# Altium PCB 2312_BadgePlaceTravail.PcbDoc (part 1 of 2)
Units mm, origin at the board's own origin, x right, y up, seen from the top; angles counter-clockwise.
Board outline 130 x 87 mm, 2 copper layers (Top Layer, Bottom Layer), stack 1.62 mm thick; 119 components, 126 nets, 435 pads, 203 vias.
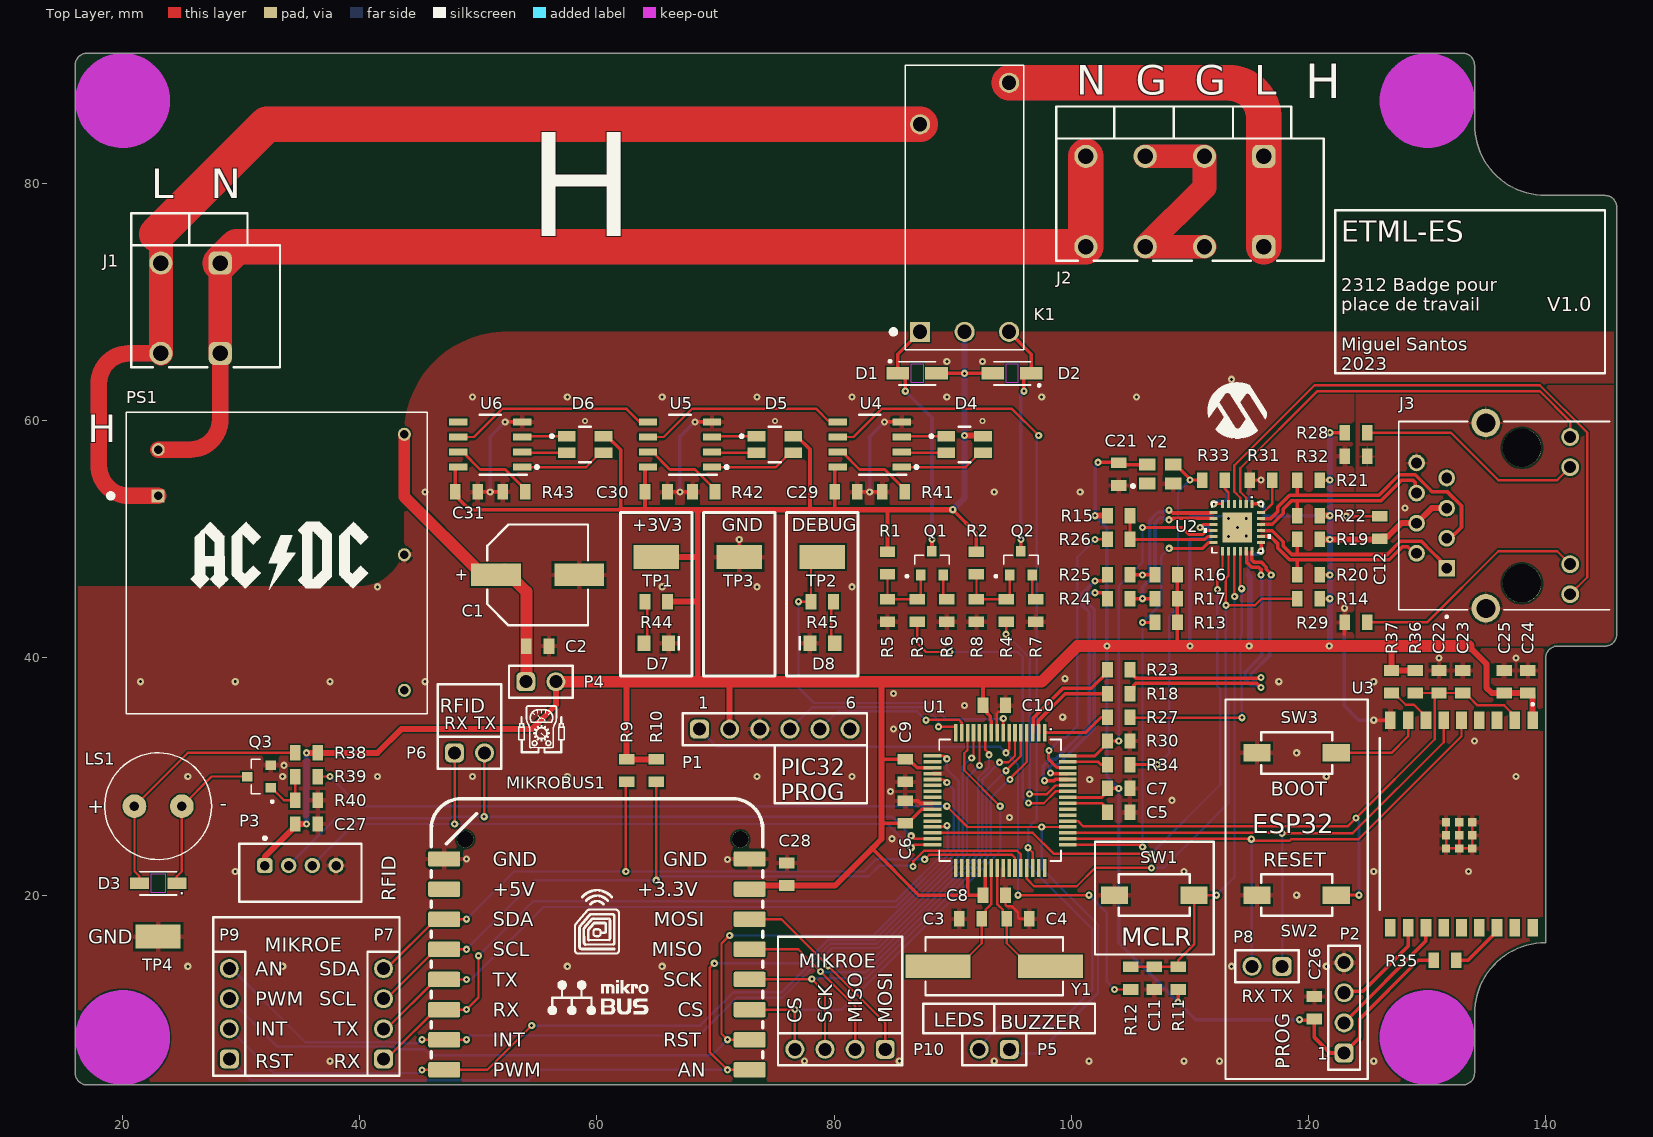
[diagram p0: Top Layer view]
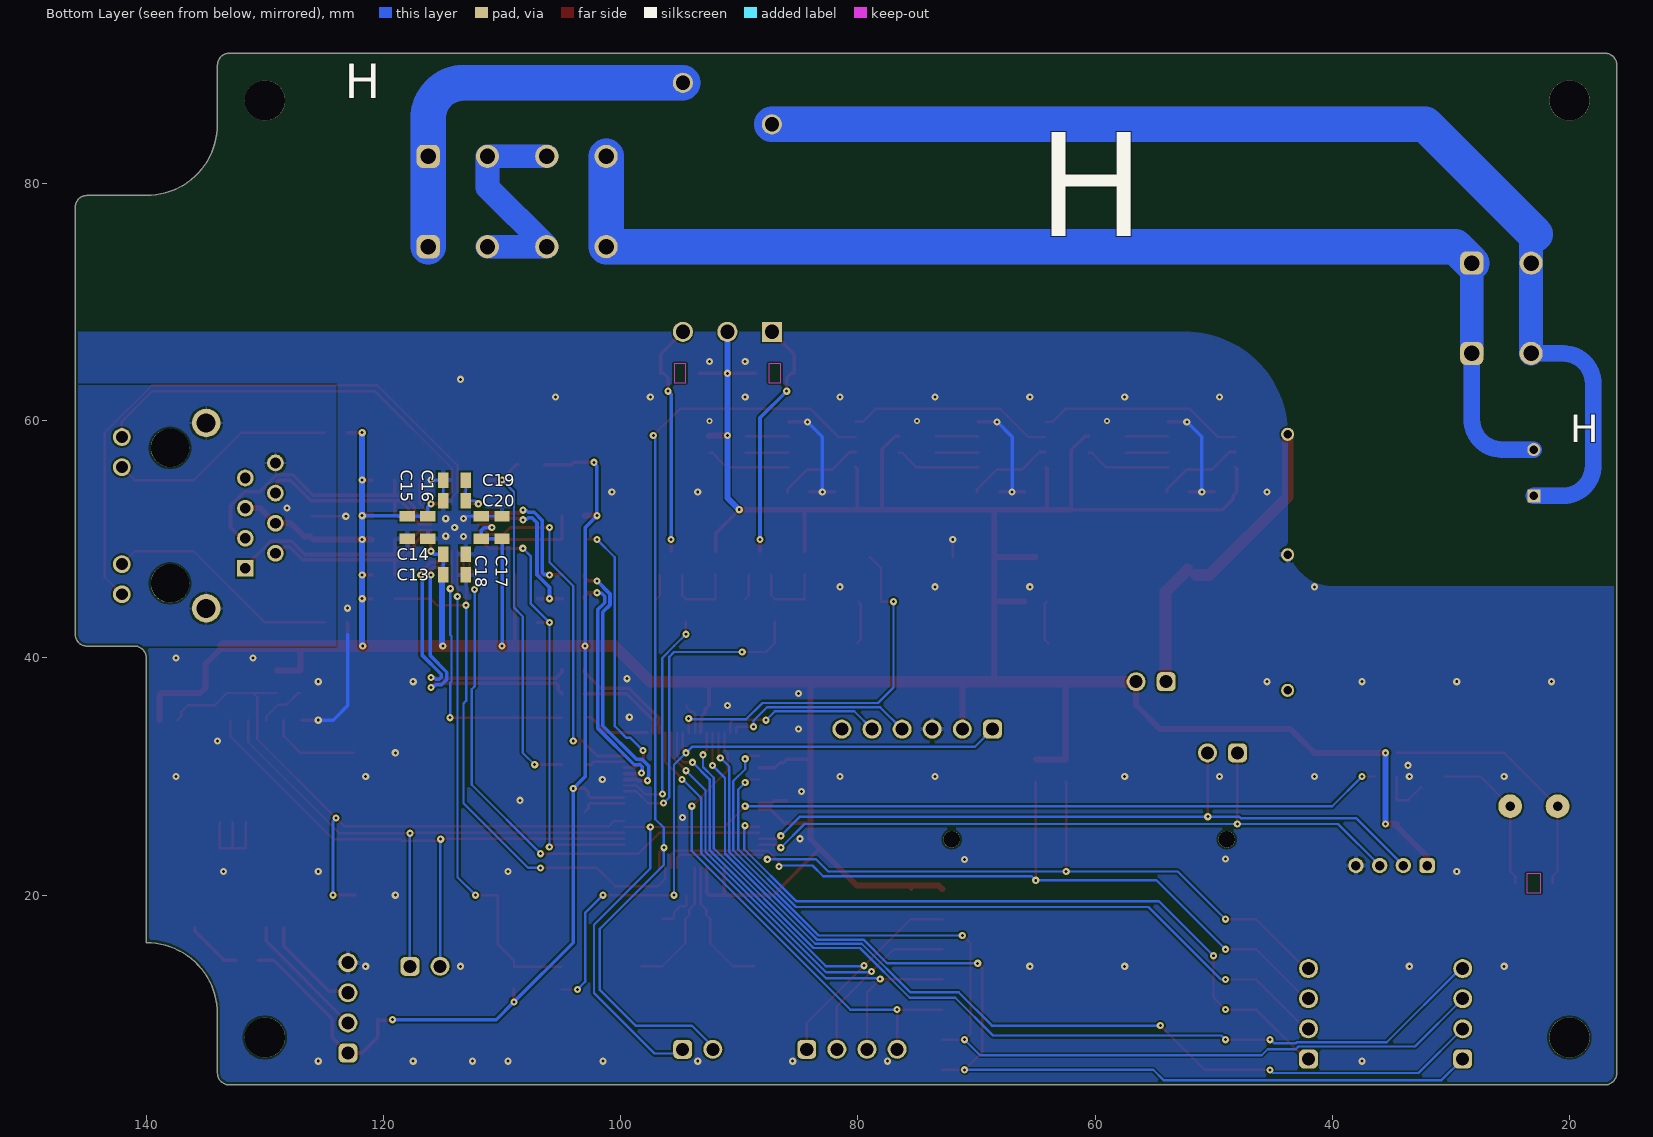
[diagram p1: Bottom Layer view, seen from below]
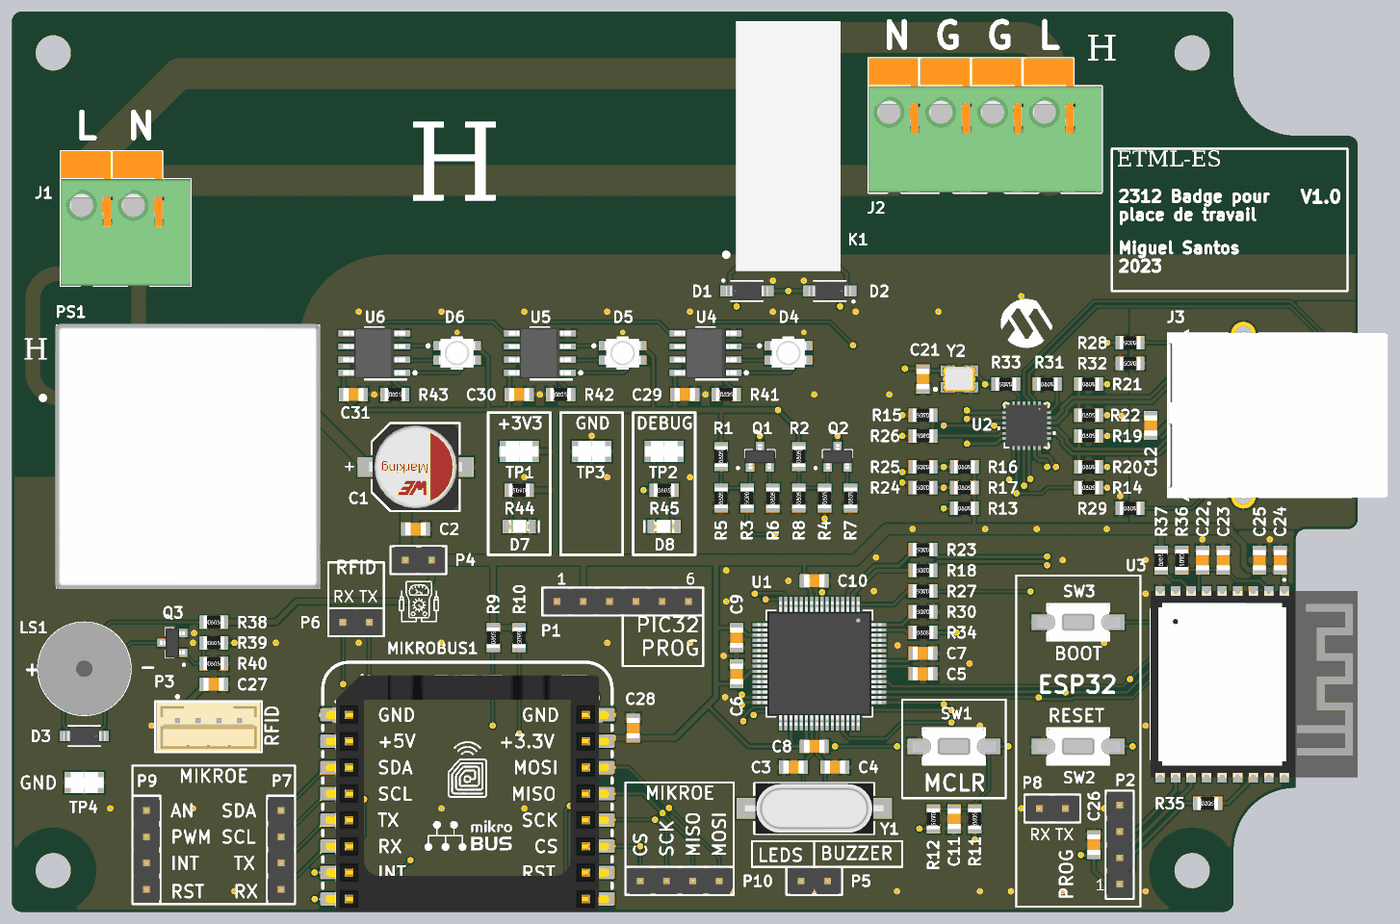
[diagram p3: 3D render of the assembled board from above, using the file's embedded part models]
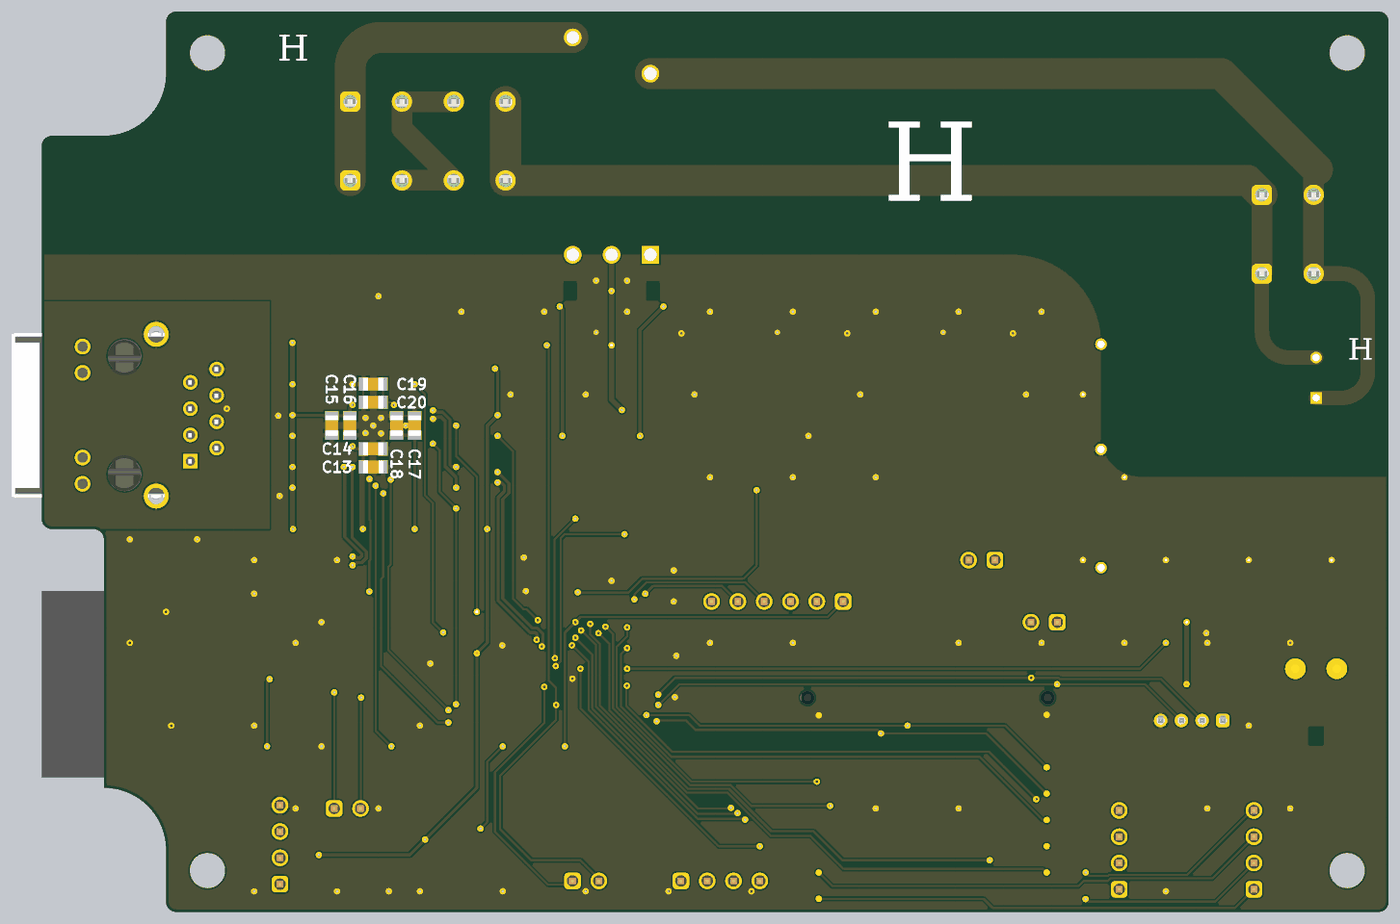
[diagram p4: 3D render of the assembled board from below, using the file's embedded part models]

## Layer stack, top to bottom
Top Solder: solder mask 0.0102, Solder Resist, Dk 3.5
Top Layer: signal copper 0.035
Dielectric1: core 1.55, FR-4, Dk 4.8
Bottom Layer: signal copper 0.035
Bottom Solder: solder mask 0.0102, Solder Resist, Dk 3.5

## Board outline
17,4 133,4 ccw(c133,5) 134,5 134,10 cw(c140,10) 140,16 140,40 cw(c141,40) 141,41 145,41 ccw(c145,42) 146,42 146,78 ccw(c145,78) 145,79 140,79 cw(c140,85) 134,85 134,90 ccw(c133,90) 133,91 17,91 ccw(c17,90) 16,90 16,5 ccw(c17,5)

## Design rules (kind name [scope] priority, off if disabled: settings)
BoardOutlineClearance [All] p1: gap=0.25 ignorepadtopadclearanceinfootprint=FALSE except(0: Arc-SplitContinuation Track-SplitContinuation SMDPad-SplitContinuation THPad-SplitContinuation Via-SplitContinuation Fill-SplitContinuation Poly-SplitContinuation Region-SplitContinuation Text-SplitContinuation)
Clearance "Clearance 230VAC-230VAC" [InNetClass('AC-230V') vs InNetClass('AC-230V')] p1: gap=2.5 ignorepadtopadclearanceinfootprint=FALSE
Clearance Clearance-230VAC-ALL [All vs InNetClass('AC-230V')] p2: gap=4 ignorepadtopadclearanceinfootprint=FALSE
Clearance Clearance-xPP-xTP-xTT [All] p3: gap=0.151 ignorepadtopadclearanceinfootprint=FALSE
ComponentClearance [All] p1: gap=0.1 collisioncheckmode=3 verticalgap=0.25 showdistances=FALSE
DiffPairsRouting EthernetDiffPair [InDifferentialPairClass('All Differential Pairs')] p1: maxlimit=0.151 minlimit=0.151 mostfreqgap=0.151 toplayer_minwidth=0.3 toplayer_maxwidth=0.3 toplayer_prefwidth=0.3 bottomlayer_minwidth=0.3 bottomlayer_maxwidth=0.3 bottomlayer_prefwidth=0.3 maxuncoupledlength=12.7
DiffPairsRouting [All] p2: maxlimit=0.25 minlimit=0.15 mostfreqgap=0.2 toplayer_minwidth=0.15 toplayer_maxwidth=0.25 toplayer_prefwidth=0.25 bottomlayer_minwidth=0.15 bottomlayer_maxwidth=0.25 bottomlayer_prefwidth=0.25 maxuncoupledlength=12.5
Height [All] p1: minheight=0 maxheight=25 prefheight=12.5
HoleSize HoleSize-PTH [All] p1: absolutevalues=TRUE maxlimit=10 minlimit=0.25 maxpercent=80.000 minpercent=20.000
HoleToHoleClearance [All] p1: gap=0.35 allowstackedmicrovias=TRUE
MinimumAnnularRing "Minimum IAR  >0.45mm" [((ObjectKind = 'Pad') OR (ObjectKind = 'Via')) And (Layer = 'MultiLayer') And (HoleDiameter > AsMM(0.45))] p1: minimumring=0.15 // minimum inner annular ring for pads > 0.45mm finished hole size
MinimumAnnularRing "Minimum IAR <=0.45mm" [((ObjectKind = 'Pad') OR (ObjectKind = 'Via')) And (Layer = 'MultiLayer') And (HoleDiameter <= AsMM(0.45))] p2: minimumring=0.125 // minimum inner annular ring for pads <= 0.45mm finished hole size
MinimumSolderMaskSliver [All] p1: minsoldermaskwidth=0.08
NetAntennae [All] p1: netantennaetolerance=2
PasteMaskExpansion [All] p1: expansion=-0.025
PlaneClearance PlaneClearance-IPI [All] p1: clearance=0.25
PlaneConnect [All] p1: planeconnectstyle=Relief reliefexpansion=0.175 reliefentries=4 reliefconductorwidth=0.2 reliefairgap=0.2
PolygonConnect GND-CONNECT [All vs InNet('GND')] p1: thpad.connectstyle=Relief thpad.reliefconductorwidth=0.4 thpad.reliefentries=4 thpad.polygonreliefangle="90 Angle" thpad.airgapwidth=0.2 smdpad.connectstyle=Relief smdpad.reliefconductorwidth=0.4 smdpad.reliefentries=4 smdpad.polygonreliefangle="90 Angle" smdpad.airgapwidth=0.2 via.connectstyle=Direct via.reliefconductorwidth=0.254 via.reliefentries=4 via.polygonreliefangle="90 Angle" via.airgapwidth=0.254
PolygonConnect PolygonConnect-xTW [All] p2: thpad.connectstyle=Relief thpad.reliefconductorwidth=0.2 thpad.reliefentries=4 thpad.polygonreliefangle="90 Angle" thpad.airgapwidth=0.2 smdpad.connectstyle=Relief smdpad.reliefconductorwidth=0.2 smdpad.reliefentries=4 smdpad.polygonreliefangle="90 Angle" smdpad.airgapwidth=0.2 via.connectstyle=Direct via.reliefconductorwidth=0.2 via.reliefentries=4 via.polygonreliefangle="90 Angle" via.airgapwidth=0.2
RoutingCorners [All] p1: cornerstyle=45-Degree minsetback=2.5 maxsetback=2.5
RoutingVias RoutingViasES [All] p1: holewidth=0.25 width=0.51 viastyle="Through Hole" minholewidth=0.25 minwidth=0.51 maxholewidth=0.45 maxwidth=0.8 // finishet hole size <= 0.45mm
SMDEntry SMDEntry-GND [InNet('GND')] p1: side=TRUE corner=FALSE anyangle=FALSE
SMDEntry [All] p2: side=TRUE corner=TRUE anyangle=FALSE
SilkToSilkClearance [All] p1: silktosilkclearance=0.2
SilkToSolderMaskClearance SilkscreenOverComponentPads [IsPad] p1: minsilkscreentomaskgap=0.2 clearancetoexposedcopper=TRUE
SolderMaskExpansion [All] p1: expansion=0 istentingtop=FALSE
UnRoutedNet [All] p1: checkbadconnections=TRUE
Width Width-230VAC [InNetClass('AC-230V')] p1: maxlimit=10 minlimit=1 preferedwidth=1.5 minimp=50.000000 maximp=50.000000 favimp=50.000000
Width Width-3V3 [InNet('+3V3')] p2: maxlimit=1 minlimit=0.25 preferedwidth=0.3 minimp=50.000000 maximp=50.000000 favimp=50.000000
Width Width-xTW [All] p3: maxlimit=1.5 minlimit=0.15 preferedwidth=0.2
16 further rules are at their usual default settings.

## Classes and differential pairs
net class UC-NOT-USED: NetU1_18 NetU1_22 NetU1_23 NetU1_24 NetU1_27 NetU1_28 NetU1_33 NetU1_34 NetU1_36 NetU1_37 NetU1_42 NetU1_47 NetU1_48 NetU1_54 NetU1_55
net class Diff-Pairs: ERXD_0 ERXD_1 ETXD_0 ETXD_1 RJRX_N RJRX_P RJTX_N RJTX_P URXD_0 URXD_1 UTXD_0 UTXD_1
net class AC-230V: AC-L-IN AC-L-OUT AC-N EARTH
component class Puissance: 90 C1 C2 D1 D2 J1 J2 K1 PS1 Q1 Q2 R1 R2 R3 R4 R5 R6 R7 R8
component class Microcontrôleur: C3 C4 C5 C6 C7 C8 C9 C10 C11 P1 R9 R10 R11 R12 SW1 U1 Y1
component class Interface: C29 C30 C31 D3 D4 D5 D6 D7 D8 LS1 Q3 R38 R39 R40 R41 R42 R43 R44 R45 U4 U5 U6
component class Ethernet: C12 C13 C14 C15 C16 C17 C18 C19 C20 C21 J3 R13 R14 R15 R16 R17 R18 R19 R20 R21 R22 R23 R24 R25 R26 R27 R28 R29 R30 R31 R32 R33 R34 U2 Y2
component class ESP32: C22 C23 C24 C25 C26 P2 R35 R36 R37 SW2 SW3 U3
component class Communication: C27 C28 MIKROBUS1 P3
component class 2312_SchemaBloc: P4 P5 P6 P7 P8 P9 P10 TP1 TP2 TP3 TP4
differential pair UTXD: +UTXD_1 -UTXD_0
differential pair URXD: +URXD_1 -URXD_0
differential pair RJTX: +RJTX_P -RJTX_N
differential pair RJRX: +RJRX_P -RJRX_N
differential pair ETXD: +ETXD_1 -ETXD_0
differential pair ERXD: +ERXD_1 -ERXD_0

## Components (designator, comment, footprint, x,y, rotation, side; value= is the part's Value field where it differs from the comment)
C1 "875115150005" WCAP-PSHP_D8H7.7 55,47 r180 top
C2 "885012207016" WCAP-CSGP_0805_L2W1.25H0.8_Reflow 55,41 r180 top
C3 "885012007002" WCAP-CSGP_0805_L2W1.25H0.6_Reflow 91.5,18 r0 top
C4 "885012007002" WCAP-CSGP_0805_L2W1.25H0.6_Reflow 95.5,18 r0 top
C5 "885012207003" WCAP-CSGP_0805_L2W1.25H1.25 104,27 r180 top
C6 "885012207016" WCAP-CSGP_0805_L2W1.25H0.8_Reflow 86,27 r270 top
C7 "885012207016" WCAP-CSGP_0805_L2W1.25H0.8_Reflow 104,29 r180 top
C8 "885012207016" WCAP-CSGP_0805_L2W1.25H0.8_Reflow 93.5,20 r180 top
C9 "885012207016" WCAP-CSGP_0805_L2W1.25H0.8_Reflow 86,30.5 r90 top
C10 "885012207016" WCAP-CSGP_0805_L2W1.25H0.8_Reflow 93.5,36 r180 top
C11 "885012207016" WCAP-CSGP_0805_L2W1.25H0.8_Reflow 107,13 r270 top
C12 "885012207013" WCAP-CSGP_0805_L2W1.25H0.8_Reflow 126,51 r270 top
C13 "885012207022" WCAP-CSGP_0805_L2W1.25H1.25 114,47 r0 bottom
C14 "885012207016" WCAP-CSGP_0805_L2W1.25H0.8_Reflow 114.007,48.75 r0 bottom
C15 "885012207022" WCAP-CSGP_0805_L2W1.25H1.25 118.007,51 r90 bottom
C16 "885012207016" WCAP-CSGP_0805_L2W1.25H0.8_Reflow 116.257,51 r90 bottom
C17 "885012207022" WCAP-CSGP_0805_L2W1.25H1.25 110.007,51 r270 bottom
C18 "885012207016" WCAP-CSGP_0805_L2W1.25H0.8_Reflow 111.757,51 r270 bottom
C19 "885012207022" WCAP-CSGP_0805_L2W1.25H1.25 114.007,55 r180 bottom
C20 "885012007007" WCAP-CSGP_0805_L2W1.25H0.8_Reflow 114.007,53.25 r180 bottom
C21 "885012207016" WCAP-CSGP_0805_L2W1.25H0.8_Reflow 104,55.5 r90 top
C22 "885012207022" WCAP-CSGP_0805_L2W1.25H1.25 131,38 r270 top
C23 "885012207016" WCAP-CSGP_0805_L2W1.25H0.8_Reflow 133,38 r90 top
C24 "885012107004" WCAP-CSGP_0805_L2W1.25H1.25 138.5,38 r270 top
C25 "885012207016" WCAP-CSGP_0805_L2W1.25H0.8_Reflow 136.5,38 r270 top
C26 "885012207016" WCAP-CSGP_0805_L2W1.25H0.8_Reflow 120.5,10.5 r270 top
C27 "885012207016" WCAP-CSGP_0805_L2W1.25H0.8_Reflow 35.5,26 r180 top
C28 "885012207016" WCAP-CSGP_0805_L2W1.25H0.8_Reflow 76.017,21.769 r270 top
C29 "885012207016" WCAP-CSGP_0805_L2W1.25H0.8_Reflow 81,54 r180 top
C30 "885012207016" WCAP-CSGP_0805_L2W1.25H0.8_Reflow 65,54 r180 top
C31 "885012207016" WCAP-CSGP_0805_L2W1.25H0.8_Reflow 49,54 r180 top
D1 "MBR0580S1-7" MBR0580S1-7_DIO-M 87,64 r0 top
D2 "MBR0580S1-7" MBR0580S1-7_DIO-M 95,64 r180 top
D3 "MBR0580S1-7" MBR0580S1-7_DIO 23,21 r180 top
D4 "150141M173100" WL-SFTW_3528_150141M173100 91,58 r0 top
D5 "150141M173100" WL-SFTW_3528_150141M173100 75,58 r0 top
D6 "150141M173100" WL-SFTW_3528_150141M173100 59,58 r0 top
D7 "150080SS75000" WL-SMCW_0805_150080xx75000 65,41.25 r180 top
D8 "150080SS75000" WL-SMCW_0805_150080xx75000 79,41.25 r0 top
J1 "691401700002B" 691401700002B 27,71 r180 top
J2 "691401700004B" 691401700004B 110,80 r180 top
J3 "CRJ011-ML3-TH" CUI_CRJ011-ML3-TH 138,52 r90 top locked
K1 "ADW1203HLW" ADW1203HLW 91,78 r90 top
LS1 "CMT-0904-83T" XDCR_CMT-0904-83T 23,27.5 r0 top
MIKROBUS1 "MIKROE-4248" "MIKROBUS HOST SMD 16 - BLACK" 60,15 r180 top
P1 "61300611121" 61300611121 75,34 r0 top
P2 "61300411121" 61300411121 123,10.5 r90 top
P3 "62000411622" 62000411622 35,21.9 r180 top
P4 "61300211121" 61300211121 55.27,38 r0 top
P5 "61300211121" 61300211121 93.5,7 r180 top
P6 "61300211121" 61300211121 49.25,32 r0 top
P7 "61300411121" 61300411121 42,10 r90 top
P8 "61300211121" 61300211121 116.5,14 r180 top
P9 "61300411121" 61300411121 29,10 r90 top
P10 "61300411121" 61300411121 80.5,7 r180 top
PS1 "RAC05-3.3SK" CONV_RAC05-3.3SK 33,48 r0 top
Q1 "MMBTA06-7-F" SOT91P240X120-3N 88.25,48 r0 top
Q2 "MMBTA06-7-F" SOT91P240X120-3N 95.75,48 r0 top
Q3 "MMBTA06-7-F" SOT91P240X120-3N 31.5,30 r90 top
R1 "RES-0805" 2312-RES-0805 84.5,48 r90 top
R2 "RES-0805" 2312-RES-0805 92,48 r90 top
R3 "RES-0805" 2312-RES-0805 87,44 r270 top
R4 "RES-0805" 2312-RES-0805 94.5,44 r90 top
R5 "RES-0805" 2312-RES-0805 84.5,44 r90 top
R6 "RES-0805" 2312-RES-0805 89.5,44 r90 top
R7 "RES-0805" 2312-RES-0805 97,44 r90 top
R8 "RES-0805" 2312-RES-0805 92,44 r90 top
R9 "RES-0805" 2312-RES-0805 62.5,30.5 r90 top
R10 "RES-0805" 2312-RES-0805 65,30.5 r270 top
R11 "RES-0805" 2312-RES-0805 109,13 r90 top
R12 "RES-0805" 2312-RES-0805 105,13 r270 top
R13 "RES-0805" 2312-RES-0805 108,43 r0 top
R14 "RES-0805" 2312-RES-0805 120,45 r0 top
R15 "RES-0805" 2312-RES-0805 104,52 r180 top
R16 "RES-0805" 2312-RES-0805 108,47 r0 top
R17 "RES-0805" 2312-RES-0805 108,45 r0 top
R18 "RES-0805" 2312-RES-0805 104,37 r180 top
R19 "RES-0805" 2312-RES-0805 120,50 r0 top
R20 "RES-0805" 2312-RES-0805 120,47 r0 top
R21 "RES-0805" 2312-RES-0805 120,55 r0 top
R22 "RES-0805" 2312-RES-0805 120,52 r0 top
R23 "RES-0805" 2312-RES-0805 104,39 r180 top
R24 "RES-0805" 2312-RES-0805 104,45 r180 top
R25 "RES-0805" 2312-RES-0805 104,47 r180 top
R26 "RES-0805" 2312-RES-0805 104,50 r180 top
R27 "RES-0805" 2312-RES-0805 104,35 r180 top
R28 "RES-0805" 2312-RES-0805 124,59 r180 top
R29 "RES-0805" 2312-RES-0805 124,43 r0 top
R30 "RES-0805" 2312-RES-0805 104,33 r180 top
R31 "RES-0805" 2312-RES-0805 116,55 r0 top
R32 "RES-0805" 2312-RES-0805 124,57 r180 top
R33 "RES-0805" 2312-RES-0805 112,55 r180 top
R34 "RES-0805" 2312-RES-0805 104,31 r0 top
R35 "RES-0805" 2312-RES-0805 131.5,14.5 r0 top
R36 "RES-0805" 2312-RES-0805 129,38 r270 top
R37 "RES-0805" 2312-RES-0805 127,38 r90 top
R38 "RES-0805" 2312-RES-0805 35.5,32 r0 top
R39 "RES-0805" 2312-RES-0805 35.5,30 r0 top
R40 "RES-0805" 2312-RES-0805 35.5,28 r0 top
R41 "RES-0805" 2312-RES-0805 85,54 r0 top
R42 "RES-0805" 2312-RES-0805 69,54 r0 top
R43 "RES-0805" 2312-RES-0805 53,54 r0 top
R44 "RES-0805" 2312-RES-0805 65,44.75 r180 top
R45 "RES-0805" 2312-RES-0805 79,44.75 r0 top
SW1 "434121050836" WS-TASV_L6W3.5H5_4341x10508x6 107,20 r0 top
SW2 "434121050836" WS-TASV_L6W3.5H5_4341x10508x6 119,20 r0 top
SW3 "434121050836" WS-TASV_L6W3.5H5_4341x10508x6 119,32 r180 top
TP1 "5019" KSTN-5019_V 65,48.5 r0 top
TP2 "5019" KSTN-5019_V 79,48.5 r0 top
TP3 "5019" KSTN-5019_V 72,48.5 r0 top
TP4 "5019" KSTN-5019_V 23,16.5 r0 top
U1 "PIC32MX795F512H-80I/PT" TQFP64_10X10MC_MCH 94,28 r270 top
U2 "LAN8720A-CP-TR-ABC" QFN24-6X6_MC_MCH 114,51 r270 top
U3 "ESP32-C3-WROOM-02-N4" ESP32C3WROOM02N4 126,26 r270 top
U4 "TLC5973D" D0008A_M 83,58 r180 top
U5 "TLC5973D" D0008A_M 67,58 r180 top
U6 "TLC5973D" D0008A_M 51,58 r180 top
Y1 "830020423" WE-XTAL_HC49/4HSMX 93.5,14 r0 top
Y2 "831055872" WE-SPXO_CFPS-39 107.5,55.5 r0 top
